# Altium PCB RP2040_GSM.PcbDoc (part 1 of 4) (continued)
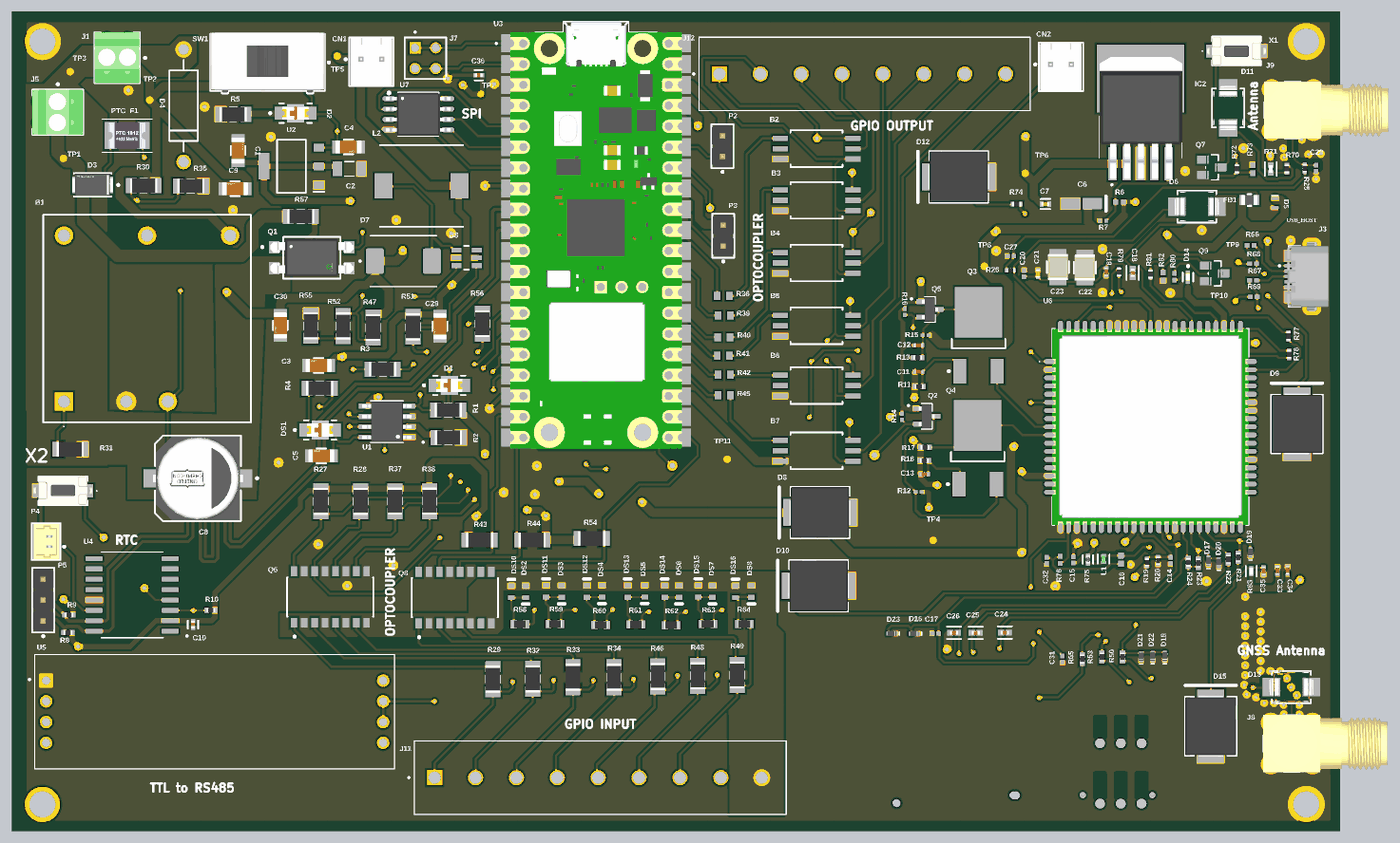
[diagram p7: 3D render of the assembled board from above, using the file's embedded part models]

## Layer stack, top to bottom
Top Solder: solder mask 1, SM-001, Dk 4
Top Layer: signal copper 1.378
Dielectric 1: prepreg 5.1, PP-017, Dk 4.3
GND_LAYER: plane copper 1.378, net GND
Dielectric 3: core 28, Core-039, Dk 4.8
PWR_LAYER: plane copper 1.378, net 5V
Dielectric 5: prepreg 5.1, PP-017, Dk 4.3
Bottom Layer: signal copper 1.378
Bottom Solder: solder mask 1, SM-001, Dk 4

## Board outline
0,0 6397,0 6397,3950 0,3950

## Design rules (kind name [scope] priority, off if disabled: settings)
BoardOutlineClearance [All] p1: gap=11.81 ignorepadtopadclearanceinfootprint=FALSE
Clearance [All] p1: gap=10 ignorepadtopadclearanceinfootprint=FALSE except(5: SMDPad-SMDPad)
DiffPairsRouting [All] p1: maxlimit=10 minlimit=10 mostfreqgap=10 toplayer_minwidth=15 toplayer_maxwidth=15 toplayer_prefwidth=15 bottomlayer_minwidth=15 bottomlayer_maxwidth=15 bottomlayer_prefwidth=15 maxuncoupledlength=500
HoleSize [All] p1: absolutevalues=TRUE maxlimit=160 minlimit=1 maxpercent=80.000 minpercent=20.000
MatchedLengths MatchedLengths_1 [InDifferentialPairClass('All Differential Pairs')] p1: tolerance=1 checknetsindiffpair=TRUE checkdiffpairvsdiffpair=FALSE checkxsignals=FALSE checkothers=FALSE
MatchedLengths [InDifferentialPair('SDA')] p2: tolerance=1 checknetsindiffpair=TRUE checkdiffpairvsdiffpair=FALSE checkxsignals=FALSE checkothers=FALSE
MaxMinImpedance MaxMinImpedance_1 [InNet('NetC16_2')] p1: minimum=1.000 maximum=10.00
MaxMinImpedance [InNet('NetC28_1')] p2: minimum=0.000 maximum=50.00
MinimumSolderMaskSliver [All] p1: minsoldermaskwidth=1
PlaneClearance [All] p1: clearance=20
PlaneConnect [All] p1: planeconnectstyle=Direct reliefexpansion=20 reliefentries=4 reliefconductorwidth=30 reliefairgap=10
PolygonConnect [All] p1: connectstyle=Direct reliefconductorwidth=25 reliefentries=4 polygonreliefangle="90 Angle" airgapwidth=10
RoutingVias [All] p1: holewidth=28 width=50 viastyle="Through Hole" minholewidth=10 minwidth=10 maxholewidth=40 maxwidth=70
SilkToSolderMaskClearance [InPadClass('All Pads')] p1: minsilkscreentomaskgap=0 clearancetoexposedcopper=TRUE
SolderMaskExpansion [All] p1: expansion=4 istentingtop=FALSE
SupplyNets "Schematic Supply Nets_3" [InNet('Power_GND')] p1: voltage=0.000
SupplyNets "Schematic Supply Nets_5" [InNet('5V')] p2: voltage=0.000
SupplyNets "Schematic Supply Nets_4" [InNet('4V')] p3: voltage=0.000
SupplyNets "Schematic Supply Nets_2" [InNet('3V3')] p4: voltage=0.000
SupplyNets "Schematic Supply Nets_1" [InNet('1V8')] p5: voltage=0.000
SupplyNets "Schematic Supply Nets" [InNet('GND')] p6: voltage=0.000
Width Width_9 [InNet('Power_GND')] p1: maxlimit=60 minlimit=10 preferedwidth=40
Width Width_8 [InNet('GND')] p2: maxlimit=60 minlimit=10 preferedwidth=40
Width Width_7 [InNet('No Net')] p3: maxlimit=10 minlimit=10 preferedwidth=10
Width Width_6 [InNet('Vbat_4')] p4: maxlimit=60 minlimit=10 preferedwidth=40
Width Width_5 [InNet('1V8')] p5: maxlimit=60 minlimit=10 preferedwidth=30
Width Width_4 [InNet('5V')] p6: maxlimit=60 minlimit=10 preferedwidth=40
Width Width_3 [InNet('3V3')] p7: maxlimit=60 minlimit=10 preferedwidth=40
Width Width_2 [InNet('4V')] p8: maxlimit=60 minlimit=10 preferedwidth=40
Width Width_1 [InNet('24v_4')] p9: maxlimit=70 minlimit=10 preferedwidth=60
Width [All] p10: maxlimit=30 minlimit=7.87 preferedwidth=10
24 further rules are at their usual default settings.

## Classes and differential pairs
component class Designator: B1 B8 C1 C2 C3 C4 C5 C6 C7 C8 C9 C29 C30 CN1 D1 D2 D3 D4 D7 DS1 IC2 J1 J5 L2 PTC_F1 Q1 R1 R2 R3 R4 R5 R6 R7 R30 R31 R35 R47 R51 R52 R55 R56 R57 SW1 TP1 TP2 TP3 TP4 TP5 TP6 TP7 TP8 U1 U2
differential pair SDA: +SDA_P -SDA_N

## Components (designator, comment, footprint, x,y, rotation, side; value= is the part's Value field where it differs from the comment)
B1 "URB2405YMD-20WR3" URB2405YMD20WR3 252,2070 r90 top
B2 "FOD8314" SOIC127P970X348-6N 3875,3289 r0 top
B3 "FOD8314" SOIC127P970X348-6N 3875,3040 r0 top
B4 "FOD8314" SOIC127P970X348-6N 3875,2738 r0 top
B5 "FOD8314" SOIC127P970X348-6N 3875,2435 r0 top
B6 "FOD8314" SOIC127P970X348-6N 3875,2147 r0 top
B7 "FOD8314" SOIC127P970X348-6N 3875,1833 r0 top
B8 "MT3608" SOT95P280X145-6N 2190,2763 r0 top
C1 "GRT31CR61H106ME01L_10uf" FP-GRT31C-0_2-MFG 1090,3280 r90 top
C2 "TCA1A226M8R" RESC3216X65N 1626,3192 r0 top
C3 "10uf" FP-GRT31C-0_2-MFG 1478,2244 r180 top
C4 "GRT31CR61H106ME01L_10uf" FP-GRT31C-0_2-MFG 1621.93,3297 r0 top
C5 "GRT31CR61H106ME01L_10uf" FP-GRT31C-0_2-MFG 1491,1808 r180 top
C6 "10UF" KEMT-A-3216-18-2_M 5150.41,3024 r180 top
C7 "10uF" FP-CL05A106MP5NUNC-MFG 4977,3022 r0 top
C8 "HHXC500ARA101MJA0G" FP-HXC-ALA0-MFG 896.8,1700 r180 top
C9 "GRT31CR61H106ME01L_10uf" FP-GRT31C-0_2-MFG 1076,3096 r180 top
C10 "100nF" FP-C0402-BB-MFG 873,995 r270 top value="0.10 μF"
C11 "Capacitor 1nF +/-20% 50V 0402" CAPC0402(1005)33_L 4367,2213 r0 top value=1nF
C12 "Capacitor 470pF +/-20% 50V 0402" CAPC0402(1005)60_L 4366,2341 r180 top value=470pF
C13 "Capacitor 1nF +/-20% 50V 0402" CAPC0402(1005)33_L 4394,1720 r180 top value=1nF
C14 "0.1uF" CAPC1005X55X30LL05T10 5580,1304 r270 top
C15 "0.1uF" CAPC1005X55X30LL05T10 5112,1307 r270 top
C16 "100 PF" CAPC1005X55X25ML05T10 5341,1307.17 r90 top
C17 "0.1uF(104)" CAPC1005X55X30LL05T10 4448,953 r180 top
C18 "33PF" FP-0402-L_1_0_1-W_0_5_0_1-IPC_A 5397,2690.33 r270 top
C19 "Capacitor 1µF +/-20% 10V 0402" CAPC0402(1005)60_L 5270,2695 r90 top value=1µF
C20 "0.1uF" CAPC1005X55X30LL05T10 4874,2687 r90 top
C21 "Capacitor 10 pF +/- 0.25 pF 50 V 0402" CAPC1005X55X30LL05T10 4941,2686.96 r270 top value=10pF
C22 "100uF" FP-GRM32-0_3-MFG 5167,2716 r90 top
C23 "100uF" FP-GRM32-0_3-MFG 5037,2718 r90 top
C24 "33pF" FP-0402-L_1_0_1-W_0_5_0_1-IPC_A 4782.33,956.17 r180 top
C25 "33pF" FP-0402-L_1_0_1-W_0_5_0_1-IPC_A 4641.33,955.17 r180 top
C26 "33pF" FP-0402-L_1_0_1-W_0_5_0_1-IPC_A 4537.51,955.17 r0 top
C27 "0.1uF" CAPC1005X55X30LL05T10 4809.96,2771 r180 top
C28 "0.1uF" CAPC1005X55X30LL05T10 6279.94,3194.16 r270 top
C29 "GRT31CR61H106ME01L_22uf" FP-GRT31C-0_2-MFG 2062,2433 r270 top
C30 "GRT31CR61H106ME01L_22uf" FP-GRT31C-0_2-MFG 1294,2437 r270 top
C31 "0.1uF" CAPC1005X55X30LL05T10 5059.17,828.53 r90 top
C32 "0.1uF" CAPC1005X55X30LL05T10 4984,1304.13 r90 top
C33 "Capacitor 1µF +/-20% 10V 0402" CAPC0402(1005)60_L 6094.33,1256.44 r270 top value=1µF
C34 "Capacitor 1µF +/-20% 10V 0402" CAPC0402(1005)60_L 6143.33,1256.73 r270 top value=1µF
C35 "Capacitor 1µF +/-20% 10V 0402" CAPC0402(1005)60_L 6027.17,1253.44 r90 top value=1µF
C36 "100nF" FP-C0402-BB-MFG 2248.75,3643.24 r180 top value="0.10 μF"
CN1 "61900211121" FP-61900211121-MFG 1732,3708.19 r0 top
CN2 "61900211121" FP-61900211121-MFG 5052,3683.19 r0 top
D1 "LTST-C230KRKT" FP-LTST-C230KRKT-MFG 2107,2148 r0 top
D2 "LTST-C230KRKT" FP-LTST-C230KRKT-MFG 1367,3460 r0 top
D3 "1N4007 SMD" FP-1N4007_SMD-IPC_C 390,3114 r180 top
D4 "P6KE36ARLG" ONSC-SURMETIC40-2-017AA-01 828,3496 r90 top
D5 "ESDA25P35-1U1M" STM-QFN1610 6082,3026 r270 top
D6 "SMBJ28CA" FP-SMBJ-CA-MFG 5706,3010 r180 top
D7 "SS34-E3/57T" DIOM7959X262N 1886.11,2747 r0 top
D8 "SMCJ60A" LFUS-DO-214AB-2_V 3892,1535 r180 top
D9 "SMCJ60A" LFUS-DO-214AB-2_V 6188,1962 r90 top
D10 "SMCJ60A" LFUS-DO-214AB-2_V 3885,1182 r180 top
D11 "SMBJ28CA" FP-SMBJ-CA-MFG 5857,3485 r270 top
D12 "SMCJ60A" LFUS-DO-214AB-2_V 4560,3153 r180 top
D13 "SMBJ28CA" FP-SMBJ-CA-MFG 6161.54,694 r180 top
D14 "APHHS1005CGCK" FP-APHHS1005CGCK-MFG 5663,2670 r270 top
D15 "SMCJ60A" LFUS-DO-214AB-2_V 5773,505 r90 top
D16 "ESDALC5-1BM2" STM-SOD-882_V 4345.43,951.59 r180 top
D17 "ESDALC5-1BM2" STM-SOD-882_V 5762,1300.18 r90 top
D18 "ESDALC5-1BM2" STM-SOD-882_V 5552,841.72 r90 top
D19 "ESDALC5-1BM2" STM-SOD-882_V 5964.62,1341.63 r90 top
D20 "ESDALC5-1BM2" STM-SOD-882_V 5812,1292.28 r90 top
D21 "ESDALC5-1BM2" STM-SOD-882_V 5438,840 r90 top
D22 "ESDALC5-1BM2" STM-SOD-882_V 5494,841 r90 top
D23 "ESDALC5-1BM2" STM-SOD-882_V 4239,952 r180 top
DS1 "LTST-C230KRKT" FP-LTST-C230KRKT-MFG 1485,1933 r0 top
DS2 "TLMS1100-GS08" VISH-TLMX1100_V 2475,1154 r270 top
DS3 "TLMS1100-GS08" VISH-TLMX1100_V 2648,1155 r270 top
DS4 "TLMS1100-GS08" VISH-TLMX1100_V 2842,1156 r270 top
DS5 "TLMS1100-GS08" VISH-TLMX1100_V 3048,1156.54 r270 top
DS6 "TLMS1100-GS08" VISH-TLMX1100_V 3213,1155 r270 top
DS7 "TLMS1100-GS08" VISH-TLMX1100_V 3374,1155 r270 top
DS8 "TLMS1100-GS08" VISH-TLMX1100_V 3562,1155 r270 top
DS10 "TLMS1100-GS08" VISH-TLMX1100_V 2406,1153 r90 top
DS11 "TLMS1100-GS08" VISH-TLMX1100_V 2573,1155.54 r90 top
DS12 "TLMS1100-GS08" VISH-TLMX1100_V 2770,1155 r90 top
DS13 "TLMS1100-GS08" VISH-TLMX1100_V 2966,1155 r90 top
DS14 "TLMS1100-GS08" VISH-TLMX1100_V 3144,1155 r90 top
DS15 "TLMS1100-GS08" VISH-TLMX1100_V 3306,1156 r90 top
DS16 "TLMS1100-GS08" VISH-TLMX1100_V 3485,1154 r90 top
FB1 "BLM21PG300SN1D" FP-BLM21-0_2-t0_85-e0_5-d-MFG 5959,3041 r0 top
IC2 "MIC29302WU" MIC29302WU 5435,3216 r0 top
J1 "1725656" PHOE-1725656-2 508,3727 r180 top
J2 "2336582-1" TE_2336582-1 5295.12,359.95 r180 bottom
J3 "1932788-1" TE_1932788-1 6260,2673.09 r90 top
J5 "1725656" PHOE-1725656-2 222,3465 r270 top
J7 "MTSW-102-X-X-D-X" SAMTEC_MTSW-102-X-X-D-X 1992,3725 r270 top
J8 "CONREVSMA002-G" LINX_CONREVSMA002-G 6162.61,421.61 r90 top
J9 "CONREVSMA002-G" LINX_CONREVSMA002-G 6167,3475 r90 top
J11 "796683-9" TE_796683-9 2036.6,257 r0 top
J12 "796683-8" TE_796683-8 3407.75,3649 r0 top
L1 "LQW15AN47NG00D" FP-LQW15AN_00-W0_5-0_1-MFG 5257,1311.17 r270 top
L2 "CDRH104RNP-220NC_22uH" INDPM102100X400N 1973,3110 r0 top
P2 "61300211121" 61300211121 3422,3301 r90 top
P3 "61300211121" 61300211121 3426,2869 r90 top
P4 "653002114822" 653002114822 166,1394.88 r270 top
P5 "61300311121" 61300311121 152,1112.68 r90 top
PTC_F1 "0ZCG0050AF2C" F1812 555.74,3352 r0 top
Q1 "FOD817D3SD" FP-709AH-MFG 1445,2763 r0 top
Q2 "BSS138" SOT95P240X111-3N 4406,1999 r0 top
Q3 "MJD50T4G" ONSC-DPAK-3-369C-01_V 4655,2389.76 r90 top
Q4 "MJD50T4G" ONSC-DPAK-3-369C-01_V 4651,1844.76 r90 top
Q5 "BSS138" SOT95P240X111-3N 4421,2514 r0 top
Q6 "TLP291-4(GB-TP,E)" FP-11-11F1-MFG 1534,1128 r90 top
Q7 "FSB560A" FP-527AG-MFG 5779,3199 r0 top
Q8 "TLP291-4(GB-TP,E)" FP-11-11F1-MFG 2134,1125 r90 top
Q9 "FSB560A" FP-527AG-MFG 5792.31,2687.6 r0 top
R1 "Resistor 0R +/- 5% 1206 250 mW" RESC3216X60X45ML15T20 2102,2029 r0 top value=0.4
R2 "Resistor 0R +/- 5% 1206 250 mW" RESC3216X60X45ML15T20 2103,1897 r0 top value=4.7k
R3 "Resistor 0R +/- 5% 1206 250 mW" RESC3216X60X45ML15T20 1785.96,2226 r0 top value=1k
R4 "Resistor 0R +/- 5% 1206 250 mW" RESC3216X60X45ML15T20 1483,2134 r180 top value=1k
R5 "Resistor 0R +/- 5% 1206 250 mW" RESC3216X60X45ML15T20 1067,3455 r0 top value=1k
R6 "191R" RESC1005X40X25ML05T05 5334,3032 r180 top
R7 "187R" RESC1005X35X20LL05T10 5253.15,2941 r0 top
R8 "Resistor 4k7 +/-1% 0402 100 mW" RESC1005X40X25ML05T05 271,956 r180 top value=4.7k
R9 "Resistor 4k7 +/-1% 0402 100 mW" RESC1005X40X25ML05T05 276,1042 r180 top value=4.7k
R10 "Resistor 1k +/-1% 0402 100 mW" RESC1005X40X25ML05T05 959.31,1064 r0 top value=1k
R11 "Resistor 4k7 +/-1% 0402 100 mW" RESC1005X40X25ML05T05 4369,2142 r180 top value=4.7k
R12 "10k" RESC1005X40X25LL05T10 4367,1634 r180 top
R13 "Resistor 4k7 +/-1% 0402 100 mW" RESC1005X40X25ML05T05 4362.31,2282 r180 top value=4.7k
R14 "10K" RESC1005X40X25LL05T10 4286,1997 r270 top
R15 "10K" RESC1005X40X25LL05T10 4401.24,2389 r180 top
R16 "10K" RESC1005X40X25LL05T10 4301,2502 r270 top
R17 "Resistor 4k7 +/-1% 0402 100 mW" RESC1005X40X25ML05T05 4397,1849 r0 top value=4.7k
R18 "Resistor 4k7 +/-1% 0402 100 mW" RESC1005X40X25ML05T05 4394,1785 r0 top value=4.7k
R19 "Resistor 100K +/-1 % 0402 63 mW" RESC0402(1005)_L 5466,1295 r270 top value=100k
R20 "Resistor 100K +/-1 % 0402 63 mW" RESC0402(1005)_L 5519,1302.72 r90 top value=100k
R21 "Resistor 0R 0402 63 mW" RESC1005X40X25ML05T10 5905.55,1319.12 r270 top value=0
R22 "Resistor 0R 0402 63 mW" RESC1005X40X25ML05T10 5858,1309.7 r270 top value=0
R23 "Resistor 0R 0402 63 mW" RESC1005X40X25ML05T10 5713,1291 r270 top value=0
R24 "Resistor 10k +/-1% 0402 100 mW" RESC1005X40X25ML05T05 5665,1295 r270 top value=10k
R25 "Resistor 100K +/-1 % 0402 63 mW" RESC0402(1005)_L 6226,3194.46 r90 top value=100k
R26 "Resistor 100K +/-1 % 0402 63 mW" RESC0402(1005)_L 4809,2702 r180 top value=100k
R27 "RC1206JR-07680RL" RESC3216X60X45ML15T20 1489,1589 r270 top value=680
R28 "RC1206JR-07680RL" RESC3216X60X45ML15T20 1679.67,1589 r270 top value=680
R29 "RC1206FR-071KL" RESC3216X60X45ML15T20 2317,732 r270 top value=1k
R30 "Resistor 0R +/- 5% 1206 250 mW" RESC3216X60X45ML15T20 636,3111 r0 top
R31 "Resistor 0R +/- 5% 1206 250 mW" RESC3216X60X45ML15T20 282,1840 r180 top
R32 "RC1206FR-071KL" RESC3216X60X45ML15T20 2509,733 r270 top value=1k
R33 "RC1206FR-071KL" RESC3216X60X45ML15T20 2702,741 r270 top value=1k
R34 "RC1206FR-071KL" RESC3216X60X45ML15T20 2900,741 r270 top value=1k
R35 "Resistor 0R +/- 5% 1206 250 mW" RESC3216X60X45ML15T20 863,3109 r180 top
R36 "220R" RESC1608X55X25ML10T15 3426,2579 r0 top
R37 "RC1206JR-07680RL" RESC3216X60X45ML15T20 1846,1590 r90 top value=680
R38 "RC1206JR-07680RL" RESC3216X60X45ML15T20 2012,1590 r90 top value=680
R39 "220R" RESC1608X55X25ML10T15 3431,2485 r0 top
R40 "220R" RESC1608X55X25ML10T15 3429,2380 r0 top
R41 "220R" RESC1608X55X25ML10T15 3427,2291 r0 top
R42 "220R" RESC1608X55X25ML10T15 3431,2199 r0 top
R43 "RC1206JR-07680RL" RESC3216X60X45ML15T20 2253,1403 r0 top value=680
R44 "RC1206JR-07680RL" RESC3216X60X45ML15T20 2506,1403 r180 top value=680
R45 "220R" RESC1608X55X25ML10T15 3431,2101 r0 top
R46 "RC1206FR-071KL" RESC3216X60X45ML15T20 3110.64,744.68 r270 top value=1k
R47 "RC1206JR-074K7L" RESC3216X60X45ML15T20 1740,2427 r90 top value=10k
R48 "RC1206FR-071KL" RESC3216X60X45ML15T20 3303,748 r270 top value=1k
R49 "RC1206FR-071KL" RESC3216X60X45ML15T20 3493,752 r270 top value=1k
R50 "Resistor 0R 0402 63 mW" RESC1005X40X25ML05T10 5348.17,838.53 r270 top value=0
R51 "RC1206JR-074K7L" RESC3216X60X45ML15T20 1933,2430 r90 top value=4.7k
R52 "RC1206JR-072KL" RESC3216X60X45ML15T20 1596,2434 r90 top value=1k
R53 "Resistor 0R 0402 63 mW" RESC1005X40X25ML05T10 5249.17,838.7 r270 top value=0
R54 "RC1206JR-07680RL" RESC3216X60X45ML15T20 2793,1410 r180 top value=680
R55 "RC1206JR-0747KL" RESC3216X60X45ML15T20 1441,2434.96 r270 top value=330
R56 "RC1206JR-07220RL" RESC3216X60X45ML15T20 2267,2444.96 r270 top value=220
R57 "RC1206JR-0712KL" RESC3216X60X45ML15T20 1392,2963 r180 top value=12k
R58 "Resistor 1k +/-1% 0603 100 mW" RESC1608X55X25ML10T15 2446.47,997 r0 top value=1k
R59 "Resistor 1k +/-1% 0603 100 mW" RESC1608X55X25ML10T15 2615,998 r0 top value=1k
R60 "Resistor 1k +/-1% 0603 100 mW" RESC1608X55X25ML10T15 2836,993 r0 top value=1k
R61 "Resistor 1k +/-1% 0603 100 mW" RESC1608X55X25ML10T15 3005,995 r0 top value=1k
R62 "Resistor 1k +/-1% 0603 100 mW" RESC1608X55X25ML10T15 3175.53,992 r0 top value=1k
R63 "Resistor 1k +/-1% 0603 100 mW" RESC1608X55X25ML10T15 3351.53,998 r0 top value=1k
R64 "Resistor 1k +/-1% 0603 100 mW" RESC1608X55X25ML10T15 3527.53,998 r0 top value=1k
R65 "Resistor 0R 0402 63 mW" RESC1005X40X25ML05T10 5154.17,828.7 r270 top value=0
R66 "0R" RESC1005X40X25NL05T10 5964.73,2823 r180 top
R67 "0R" RESC1005X40X25NL05T10 5977,2654 r180 top
R68 "0R" RESC1005X40X25NL05T10 5977,2734 r180 top
R69 "0R" RESC1005X40X25NL05T10 5980,2574 r180 top
R70 "1K" RESC1005X40X25NL05T05 6140,3191.46 r270 top
R71 "50K" FP-CRCW0402-e3-IPC_A 6062,3191.23 r90 top
R72 "4.7K" RESC1005X40X25LL05T05 5898,3191.46 r270 top
R73 "47K" RESC1005X40X25ML05T10 5976,3190.16 r90 top
R74 "1K" RESC1005X40X25NL05T05 4839,3022 r180 top
R75 "ERJ-2RKF10R0X" FP-ERJ2RK-MFG 5182,1309 r90 top value=10Ω
R76 "0R" RESC1005X40X25NL05T10 5048,1307.17 r90 top
R77 "1K" RESC1005X40X25NL05T05 6147.83,2385.72 r90 top
R78 "1K" RESC1005X40X25NL05T05 6149.83,2298 r90 top
R79 "10K" RESC1005X40X25LL05T05 5331,2693.75 r90 top
R80 "2.2K" RESC1005X40X25NL05T10 5599,2671.73 r90 top
R81 "4.7K" RESC1005X40X25LL05T05 5482.8,2683.45 r90 top
R82 "47K" RESC1005X40X25ML05T10 5543,2673 r90 top
R83 "2.2R" FP-CRCW0402-e3-IPC_C 5968,1252 r90 top
SIM1 "505020-0692" 505020-0692 4478.77,375 r0 bottom
SW1 "CS12ANW03" FP-CS12ANW03-MFG 1232,3705 r180 top
TP1 "Test Point" TEST_POINT_SMD_30D 249,3242 r0 top
TP2 "Test Point" TEST_POINT_SMD_30D 665,3523 r0 top
TP3 "Test Point" TEST_POINT_SMD_30D 282,3660 r0 top
TP4 "Test Point" TEST_POINT_SMD_30D 4436,1401 r0 top
TP5 "Test Point" TEST_POINT_SMD_30D 1567,3735 r0 top
TP6 "Test Point" TEST_POINT_SMD_30D 4880,3170 r0 top
TP7 "Test Point" TEST_POINT_SMD_30D 2260,3551 r0 top
TP8 "Test Point" TEST_POINT_SMD_30D 4683,2722 r0 top
TP9 "Test Point" TEST_POINT_SMD_30D 5906,2742 r0 top
TP10 "Test Point" TEST_POINT_SMD_30D 5892,2555 r90 top
TP11 "Test Point" TEST_POINT_SMD_30D 3445,1792 r90 top
U1 "TP4056" SOP127P600X175-9N 1806.44,1973 r180 top
U2 "ams1117-3.3v" SOT229P700X180-4N 1347,3204 r180 top
U3 "RASPBERRY_PI_PICO_W" MODULE_RASPBERRY_PI_PICO_W 2813.47,2846.41 r0 top
U4 "DS3231M+" SOIC127P1032X265-16N 580,1138.41 r180 top
U5 "TLL_TO_RS-485" MODULE_MAX485_MODULE_5V_LOGIC_TLL_TO_RS-485_CONVERTER 977,575 r0 top
U6 "A7672S" A7672S 5482.79,1948 r0 top
U7 "W25Q32JVSSIQ" SOIC127P790X216-8N 1958,3455 r0 top
X1 "EVQ-PE104K" EVQPE104K 5897,3760 r0 top
X2 "EVQ-PE104K" EVQPE104K 247,1640 r180 top

## Footprints (in the part's own frame and the unit in brackets; to place one, negate y for a bottom-side part, rotate by r counter-clockwise, add the part's x,y. Pads: shape width x height; smd on the part's side, far side on the other; paste and mask are expansions set on the pad)
505020-0692 [mm]
  rect 0.7x1 smd: C1(5.5,0) C2(3.3,0) C3(1.1,0) C5(4.4,0) C6(2.2,0) C7(0,0)
  rect 0.45x4.1 smd: P$7(-6.62,5.25)
  rect 0.45x2.1 smd: P$8(-6.62,-0.535) P$9(10.23,-0.5)
  rect 0.45x3.8 smd: P$10(-6.62,-7.31) P$17(10.23,4.06)
  rect 2.2x0.4 smd: P$13(1.405,-9.15) P$14(5.105,-9.15)
  rect 1.3x0.4 smd: P$15(8.675,-9.15)
  rect 0.4x2.1 smd: P$16(10.2,-5.8)
  rect 0.55x1.3 smd: P$18(8.41,6.65)
  rect 0.8x0.95 smd: SW1(-3.425,-8.875)
  rect 0.9x0.95 smd: SW2(-2.085,-8.875)
  round 1 hole 1 unplated: ""(-5.54,6.11) ""(8.76,5.15) ""(9.06,5.15)
  silkscreen extent -6.39,-8.9 10.01,7
61300211121 [mm] "Pin Header, pitch 2.54 mm, THT, Vertical, single row, 2p"
  rrect50% 1.6x1.6 hole 1.1: 1(-1.27,0)
  round 1.6 hole 1.1: 2(1.27,0)
  silkscreen extent -3.26,-1.35 2.69,1.35, body extent -2.54,-1.27 2.54,1.27, height 8.57
61300311121 [mm] "Pin Header, pitch 2.54 mm, THT, Vertical, single row, 3p"
  rrect50% 1.6x1.6 hole 1.1: 1(-2.54,0)
  round 1.6 hole 1.1: 2(0,0) 3(2.54,0)
  silkscreen extent -4.53,-1.35 3.96,1.35, body extent -3.81,-1.27 3.81,1.27, height 8.57
653002114822 [mm] "1.25mm Male Vertical Shrouded Header, 2p"
  rrect50% 0.9x0.9 hole 0.5: 1(0.625,0.4)
  round 0.9 hole 0.5: 2(-0.625,0.4)
  silkscreen extent -2.25,-1.75 2.25,2.32, body extent -2.12,-1.6 2.12,1.6, height 4.23
A7672S [mm]
  oval 2x0.6 smd: 1(-12,8) 2(-12,7) 3(-12,6) 4(-12,5) 5(-12,4) 6(-12,3) 7(-12,2) 8(-12,1) 9(-12,0) 10(-12,-1) 11(-12,-2) 12(-12,-3) 13(-12,-4) 14(-12,-5) 15(-12,-6) 16(-12,-7) 17(-12,-8) 35(12,-8) 36(12,-7) 37(12,-6) 38(12,-5) 39(12,-4) 40(12,-3) 41(12,-2) 42(12,-1) 43(12,0) 44(12,1) 45(12,2) 46(12,3) 47(12,4) 48(12,5) 49(12,6) 50(12,7) 51(12,8)
  oval 0.6x2 smd: 18(-8,-12) 19(-7,-12) 20(-6,-12) 21(-5,-12) 22(-4,-12) 23(-3,-12) 24(-2,-12) 25(-1,-12) 26(0,-12) 27(1,-12) 28(2,-12) 29(3,-12) 30(4,-12) 31(5,-12) 32(6,-12) 33(7,-12) 34(8,-12) 52(8,12) 53(7,12) 54(6,12) 55(5,12) 56(4,12) 57(3,12) 58(2,12) 59(1,12) 60(0,12) 61(-1,12) 62(-2,12) 63(-3,12) 64(-4,12) 65(-5,12) 66(-6,12) 67(-7,12) 68(-8,12) 89(-11,-12) 90(-10,-12) 91(-9,-12) 92(9,-12) 93(10,-12) 94(11,-12) 95(11,12) 96(10,12) 97(9,12) 98(-9,12) 99(-10,12) 100(-11,12)
  rect 2.1x2.1 smd: 69(-7.6,7.6) 70(-7.6,3.8) 71(-7.6,0) 72(-7.6,-3.8) 73(-7.6,-7.6) 74(-3.8,-7.6) 75(0,-7.6) 76(3.8,-7.6) 77(7.6,-7.6) 78(7.6,-3.8) 79(7.6,0) 80(7.6,3.8) 81(7.6,7.6) 82(3.8,7.6) 83(0,7.6) 84(-3.8,7.6) 85(-3.8,0) 86(0,-3.8) 87(3.8,0) 88(0,3.8)
  rect 1.1x0.9 smd: 101(-9.8,3.5) 102(-9.8,2.1) 103(-9.8,0.7) 104(-9.8,-0.7) 105(-9.8,-2.1) 106(-9.8,-3.5) 113(9.8,-3.5) 114(9.8,-2.1) 115(9.8,-0.7) 116(9.8,0.7) 117(9.8,2.1) 118(9.8,3.5)
  rect 0.9x1.1 smd: 107(-3.5,-9.8) 108(-2.1,-9.8) 109(-0.7,-9.8) 110(0.7,-9.8) 111(2.1,-9.8) 112(3.5,-9.8) 119(3.5,9.8) 120(2.1,9.8) 121(0.7,9.8) 122(-0.7,9.8) 123(-2.1,9.8) 124(-3.5,9.8)
  silkscreen extent -13.6,-12 12,12, body extent -12,-12 12,12, height 2.6
CAPC0402(1005)33_L [mm] "Chip Capacitor, Body 1.0x0.5mm, Height 0.33mm, IPC High Density"
  rrect25% 0.5x0.55 smd: 1(-0.45,0) 2(0.45,0)
  silkscreen extent 0,-0.2 0,0.2, body extent -0.5,-0.25 0.5,0.25, height 0.55
CAPC0402(1005)60_L [mm] "Chip Capacitor, Body 1.0x0.5mm, Height 0.6mm, IPC High Density"
  rrect25% 0.5x0.55 smd: 1(-0.45,0) 2(0.45,0)
  silkscreen extent 0,-0.2 0,0.2, body extent -0.5,-0.25 0.5,0.25, height 0.6
CAPC1005X55X25ML05T10 [mm] "Chip Capacitor, 2-Leads, Body 1.00x0.50mm, IPC Low Density"
  rect 0.76x0.72 smd: 1(-0.49,0) 2(0.49,0)
  body extent -0.53,-0.28 0.53,0.27, height 0.55
CAPC1005X55X30LL05T10 [mm] "Chip Capacitor, 2-Leads, Body 1.00x0.50mm, IPC High Density"
  rect 0.56x0.52 smd: 1(-0.38,0) 2(0.38,0)
  body extent -0.53,-0.28 0.53,0.28, height 0.55
DIOM7959X262N [mm]
  rrect23% 2.18x3.12 smd: A(3.485,0) C(-3.485,0)
  silkscreen extent -5.4,-3.11 4.07,3.11
EVQPE104K [mm]
  rect 2x1.6 smd: A1(-2.7,0) B1(2.7,0)
  silkscreen extent -4.2,-1.75 3,1.75, body extent -3.6,-1.78 3.6,1.72, height 4.3
F1812 [mm]
  rect 1.5x3.3 smd mask+0.076: 1(-2,0) 2(2,0)
  silkscreen extent -3.05,-2.03 3.05,2.03, body extent -2.25,-1.6 2.25,1.6, height 0.45
FP-1N4007_SMD-IPC_C [mm]
  rect 2.1x2 smd paste+0 mask+0: 1(-1.45,0) 2(1.45,0)
  silkscreen extent -3.25,-1.45 2.3,1.45, body extent -2.6,-1.55 2.6,1.55, height 0.25
FP-11-11F1-MFG [mm]
  rect 1.2x0.8 smd paste+0 mask+0: 1(-3.15,4.445) 2(-3.15,3.175) 3(-3.15,1.905) 4(-3.15,0.635) 5(-3.15,-0.635) 6(-3.15,-1.905) 7(-3.15,-3.175) 8(-3.15,-4.445) 9(3.15,-4.445) 10(3.15,-3.175) 11(3.15,-1.905) 12(3.15,-0.635) 13(3.15,0.635) 14(3.15,1.905) 15(3.15,3.175) 16(3.15,4.445)
  silkscreen extent -4.97,-5.28 2.4,5.28
FP-0402-L_1_0_1-W_0_5_0_1-IPC_A [mil]
  rect 30.75x28.04 smd paste+0 mask+0: 1(-18.33,0) 2(18.33,0)
  silkscreen extent -34,-30 34,30, body extent -42,-22 42,22, height 10
FP-527AG-MFG [mm]
  rect 1.4x1 smd paste+0 mask+0: 1(-1.1,0.95) 2(-1.1,-0.95) 3(1.1,0)
  silkscreen extent -0.76,-1.52 0.76,1.52, body extent -1.9,-1.62 1.9,1.62, height 0.25
FP-709AH-MFG [mm]
  rect 1.3x1.5 smd paste+0 mask+0: 1(-4.6,1.27) 2(-4.6,-1.27) 3(4.6,-1.27) 4(4.6,1.27)
  silkscreen extent -6.17,-2.55 3.5,2.55, body extent -5.35,-2.65 5.35,2.65, height 0.25
FP-61900211121-MFG [mm]
  rect 1.55x1.55 hole 1 paste-2539.97 mask+0: 1(-1.27,0.3)
  round 1.55 hole 1 paste-2539.97 mask+0: 2(1.27,0.3)
  silkscreen extent -3.27,-2.98 2.71,2.98, body extent -2.81,-3.08 2.81,3.08, height 0.25
FP-APHHS1005CGCK-MFG [mm]
  rect 0.7x0.5 smd paste+0 mask+0: 1(-0.45,0) 2(0.45,0)
  silkscreen extent -1.47,-0.63 0.55,0.65, body extent -0.9,-0.4 0.9,0.4, height 0.25
FP-BLM21-0_2-t0_85-e0_5-d-MFG [mm]
  rect 0.6x1.2 smd paste-1000 mask-1000: 1(-0.9,0) 2(0.9,0)
  silkscreen extent -0.23,-0.72 0.23,0.72, body extent -1.3,-0.82 1.3,0.82, height 0.25
FP-C0402-BB-MFG [mm]
  rect 0.52x0.52 smd paste+0 mask+0: 1(-0.4,0) 2(0.4,0)
  silkscreen extent -0.5,-0.64 0.5,0.64, body extent -0.8,-0.4 0.8,0.4, height 0.25
FP-CL05A106MP5NUNC-MFG [mm]
  rect 0.45x0.675 smd paste+0 mask+0: 1(-0.463,0) 2(0.463,0)
  silkscreen extent -0.6,-0.63 0.6,0.63, body extent -0.79,-0.45 0.79,0.45, height 0.25
FP-CRCW0402-e3-IPC_A [mil]
  rect 26.31x26.48 smd paste+0 mask+0: 1(-19.77,0) 2(19.77,0)
  silkscreen extent -33,-29 33,29, body extent -41,-21 41,21, height 10
FP-CRCW0402-e3-IPC_C [mil]
  rect 18.43x18.6 smd paste+0 mask+0: 1(-15.83,0) 2(15.83,0)
  silkscreen extent -25,-27 25,27, body extent -29,-15 29,15, height 10
FP-CS12ANW03-MFG [mm]
  rect 2.45x2.45 hole 1.6 paste-2539.97 mask+0: 1(-4.7,0)
  round 2.45 hole 1.6 paste-2539.97 mask+0: 2(0,0) 3(4.7,0)
  silkscreen extent -7.63,-3.5 7,3.8, body extent -7.1,-3.6 7.1,3.91, height 0.25
FP-ERJ2RK-MFG [mm]
  rect 0.475x0.5 smd paste+0 mask+0: 1(-0.513,0) 2(0.513,0)
  silkscreen extent -0.53,-0.63 0.53,0.63, body extent -0.85,-0.38 0.85,0.38, height 0.25
FP-GRM32-0_3-MFG [mm]
  rect 1.1x2.05 smd paste+0 mask+0: 1(-1.65,0) 2(1.65,0)
  silkscreen extent -0.72,-1.35 0.72,1.35, body extent -2.3,-1.45 2.3,1.45, height 0.25
FP-GRT31C-0_2-MFG [mm]
  rect 1.05x1.6 smd paste+0 mask+0: 1(-1.475,0) 2(1.475,0)
  silkscreen extent -0.58,-0.9 0.58,0.9, body extent -2.1,-1 2.1,1, height 0.25
FP-HXC-ALA0-MFG [mm]
  rect 4.4x2.2 smd paste+0 mask+0: 1(-4.45,0) 2(4.45,0)
  silkscreen extent -7.35,-5.25 5.25,5.25, body extent -6.9,-5.5 6.9,5.5, height 0.25
FP-LQW15AN_00-W0_5-0_1-MFG [mm]
  rect 0.35x0.65 smd paste+0 mask+0: 1(-0.425,0) 2(0.425,0)
  silkscreen extent -0.55,-0.71 0.55,0.7, body extent -0.7,-0.43 0.7,0.43, height 0.25
FP-LTST-C230KRKT-MFG [mm]
  rect 1.5x1.6 smd paste+0 mask+0: 1(-1.8,0) 2(1.8,0)
  silkscreen extent -3.22,-1.19 1.99,1.19, body extent -2.65,-0.95 2.65,0.95, height 0.25
FP-SMBJ-CA-MFG [mm]
  rect 2.16x2.26 smd paste+0 mask+0: 1(-2.45,0) 2(2.45,0)
  silkscreen extent -2.37,-1.97 2.37,1.97, body extent -3.63,-2.07 3.63,2.07, height 0.25
INDPM102100X400N [mm]
  rect 2.2x3.05 smd: 1(-4.65,0) 2(4.65,0)
  silkscreen extent -5.1,-5 5.1,5
KEMT-A-3216-18-2_M [mm] "Molded TAN Capacitor, 2-Leads, Body 3.4x1.8mm, IPC Low Density"
  rect 2.35x1.35 smd: 1(-1.325,0) 2(1.325,0)
  silkscreen extent -3,-0.9 -3,0.9, body extent -1.7,-0.9 1.7,0.9, height 1.8
LFUS-DO-214AB-2_V [mm] "Molded Diode, 2-Leads, Body 7.11x6.22mm"
  rect 2.4x3.3 smd: 1(-3.3,0) 2(3.3,0)
  silkscreen extent -3.6,-3.15 5,3.15, body extent -3.77,-3.11 3.77,3.11, height 2.62
LINX_CONREVSMA002-G [mm]
  round 2.1 hole 1.4: 1(0,0)
  round 2.25 hole 1.5: S1(-2.55,2.55) S2(-2.55,-2.55) S3(2.55,-2.55) S4(2.55,2.55)
  silkscreen extent -3.5,-3.5 3.5,3.5, body extent -3.5,-11.7 3.5,3.5, height 10
MIC29302WU [mil]
  rect 40.98x159.02 smd: 1(-134.02,0) 2(-67.01,0) 3(0,0) 4(67.01,0) 5(134.02,0)
  rect 422.99x327.01 smd: 6(0,411.5)
  silkscreen extent -200,-105 200,229, body extent -198,-72 202,515, height 214
MODULE_MAX485_MODULE_5V_LOGIC_TLL_TO_RS-485_CONVERTER [mm]
  rect 1.53x1.53 hole 1.02: 1(-20.6,3.81)
  round 1.53 hole 1.02: 2(-20.6,1.27) 3(-20.6,-1.27) 4(-20.6,-3.81) 5(20.62,-3.81) 6(20.62,-1.27) 7(20.62,1.27) 8(20.62,3.81)
  silkscreen extent -22.73,-7 22,7